# Altium PCB HIL_RIG_REV_1_2.PcbDoc (part 2 of 14)
Units mil, origin at the board's own origin, x right, y up, seen from the top; angles counter-clockwise.
Board outline 9845 x 7590 mil, 6 copper layers (Top Layer, Int1 (GND), Int2 (PWR), Int3 (Sign), Int4 (GND), Bottom Layer), stack 60.566 mil thick; 1465 components, 731 nets, 4058 pads, 3944 vias.
Unrouted connection lines stored in the file: 1754.
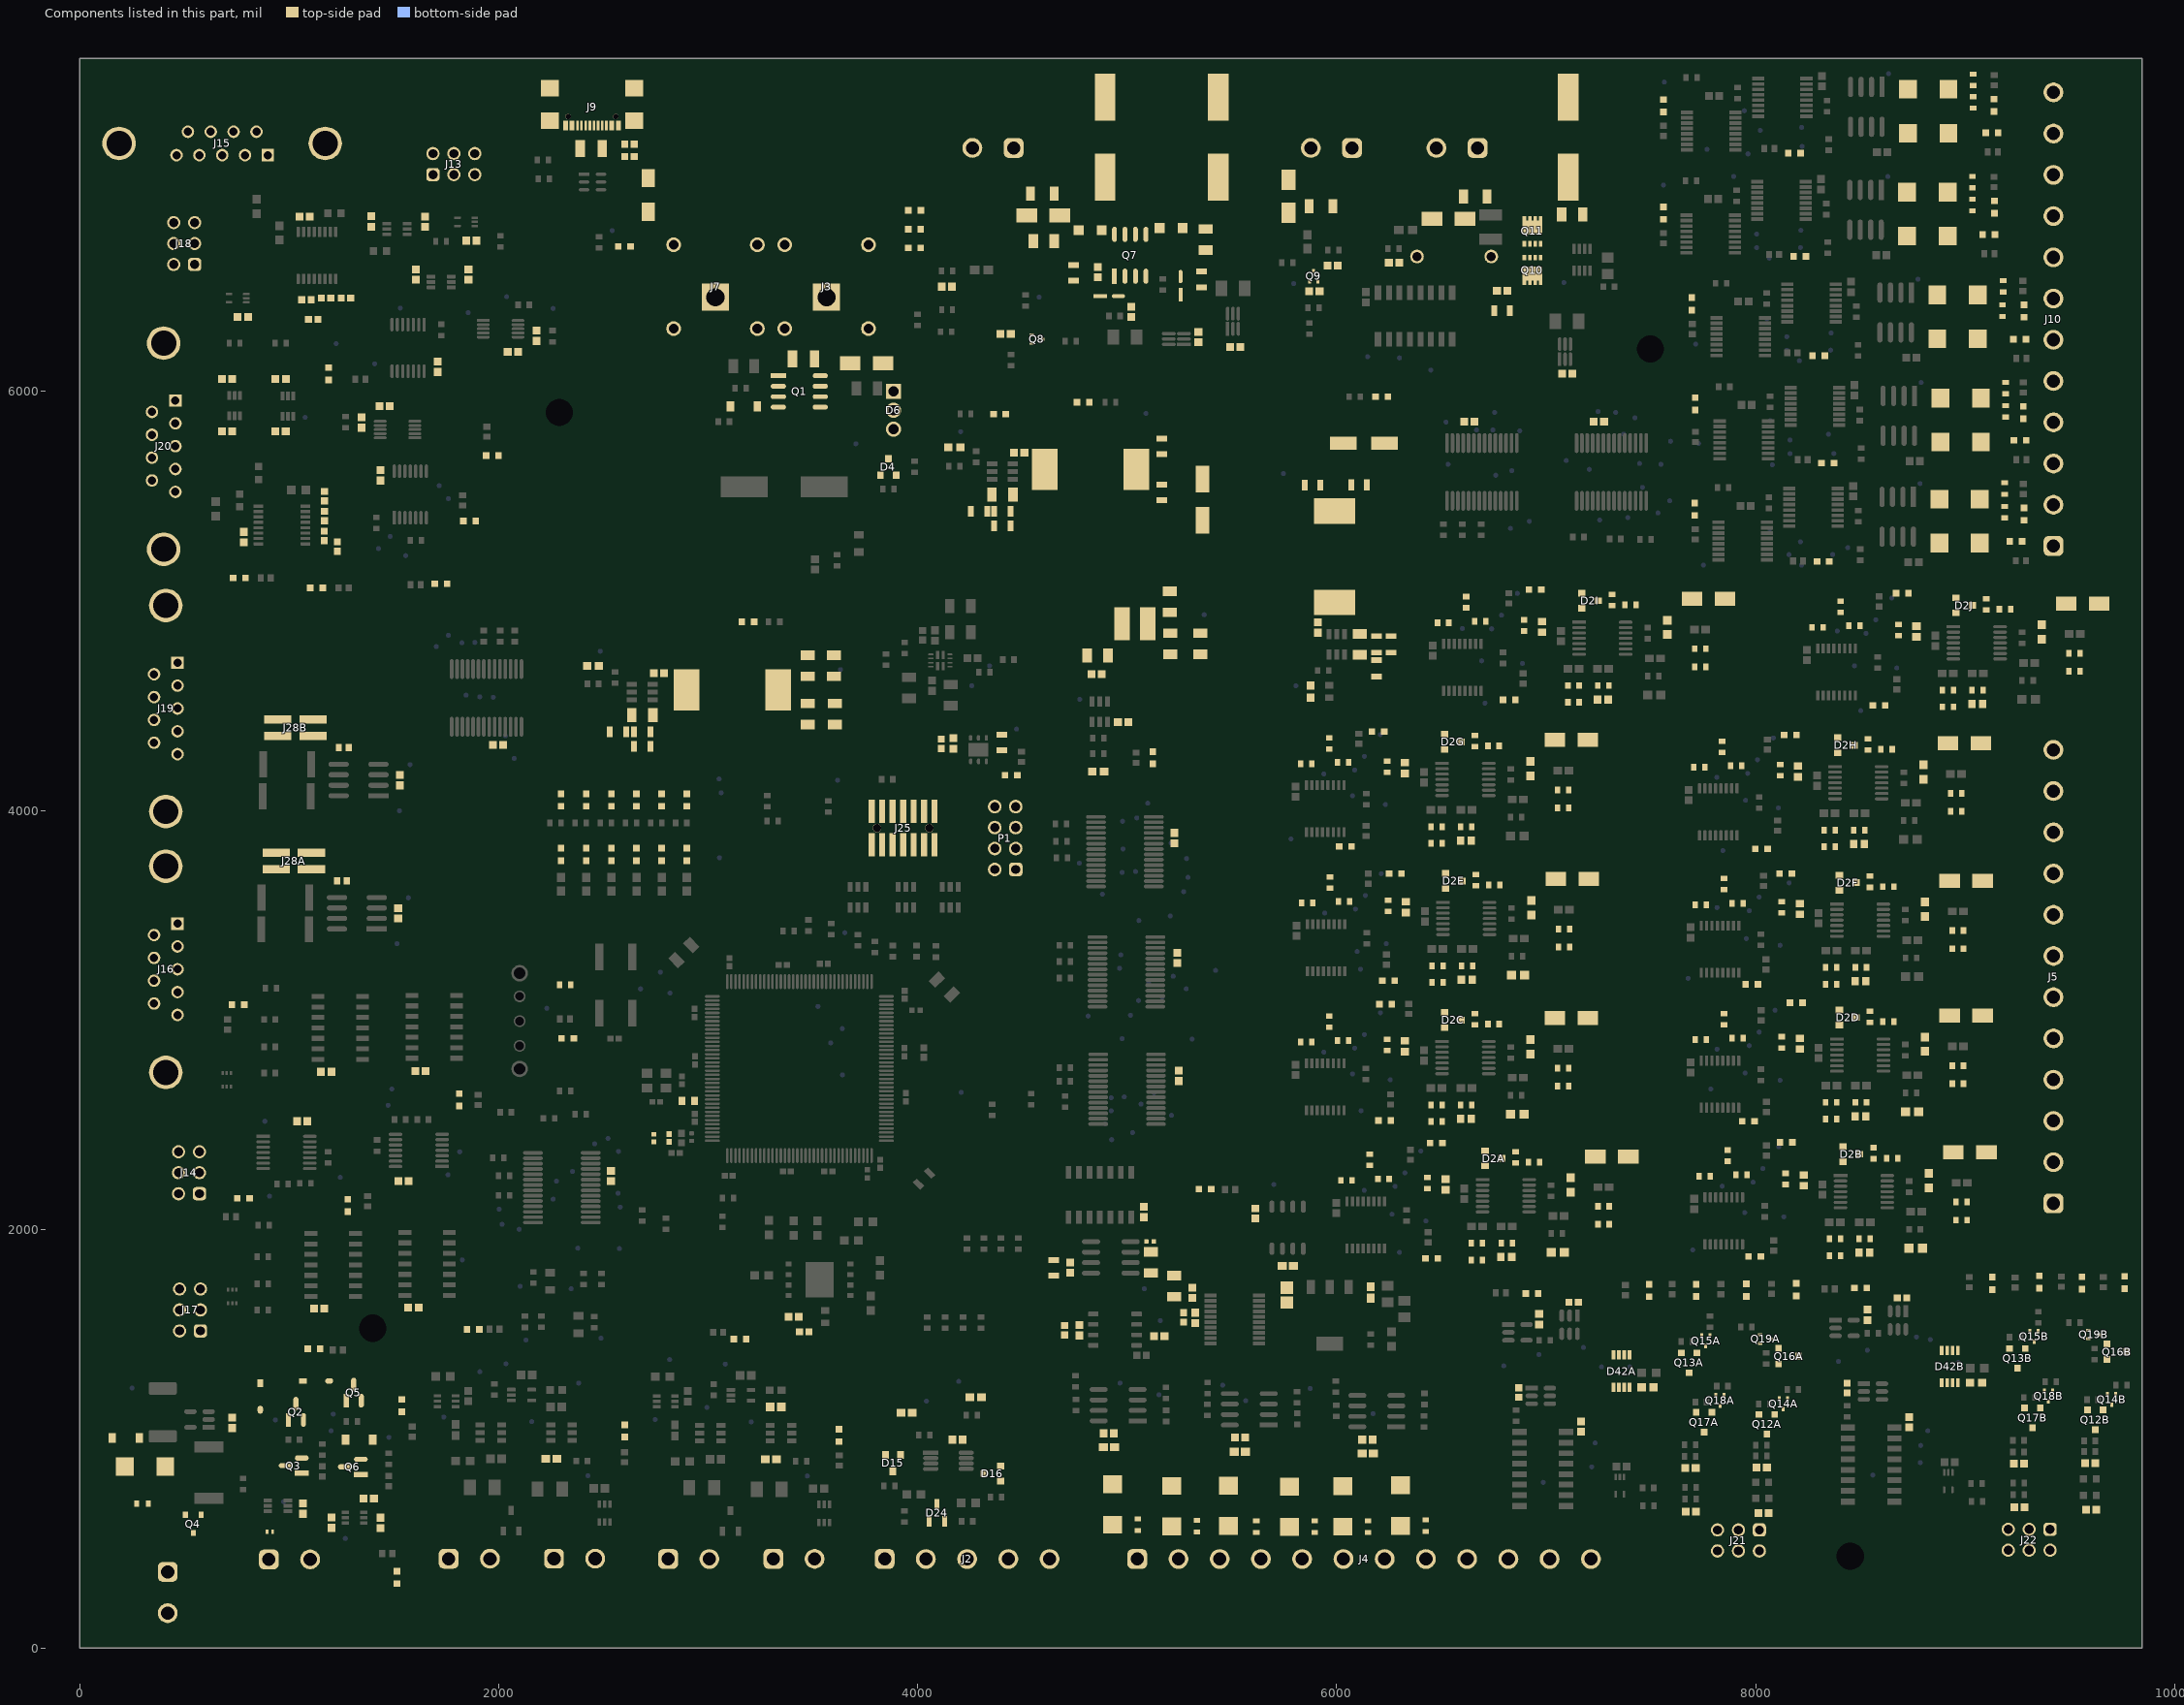
[diagram p6: the components of this part, seen from the top]

## Components (designator, comment, footprint, x,y, rotation, side; value= is the part's Value field where it differs from the comment) (continued)
C56B "Capacitor 100 nF +/-10% 50 V 0603" CAPC1608X90X40ML10T20 3321.73,1151.46 r0 top value=100nF (schematic designator C56)
C57A "CC0603KRX7R7BB102" FP-CC0603-DA-IPC_B#1 2252.35,904 r180 top value=1nF (schematic designator C57)
C57B "CC0603KRX7R7BB102" FP-CC0603-DA-IPC_B#1 3299.61,902.52 r180 top value=1nF (schematic designator C57)
C58 "Capacitor 100 nF +/-10% 50 V 0603" CAPC1608X90X40NL10T20#1 728,1076 r270 top value=100nF
C59 "Capacitor 100 nF +/-10% 50 V 0603" CAPC1608X90X40NL10T20#1 1066,666.61 r90 top value=100nF
C60 "Capacitor 100 nF +/-10% 50 V 0603" CAPC1608X90X40NL10T20#1 1436,598.61 r270 top value=100nF
C61 "Capacitor 100 nF +/-10% 50 V 0603" CAPC1608X90X40NL10T20#2 1380,714 r180 top value=100nF
C62 "Capacitor 100 nF +/-10% 50 V 0603" CAPC1608X90X40NL10T20#1 1202,599.39 r90 top value=100nF
C63 "Capacitor 100 nF +/-10% 50 V 0603" CAPC1608X90X40NL10T20#1 4190.61,996 r0 top value=100nF
C64 "CC0603KRX7R9BB103" FP-CC0603-DA-IPC_B#2 3947,1123.68 r180 top value=10nF
C65 "CC0603KRX7R9BB103" FP-CC0603-DA-IPC_B#2 4277,1198.68 r0 top value=10nF
C66 "GRM21BZ71H475KE15L" FP-GRM21B-0_2-e0_2_0_7-MFG 4650,1816 r90 top value=4.7µF
C67 "Capacitor 10nF +/-20% 50V 0402" CAPC0402(1005)60_L 5109.72,1942 r0 top value=10nF
C68 "GRM31CR71E106KA12L" FP-GRM31C-0_2-e0_3_0_8-IPC_C 5114,1842 r90 top value=10µF
C69 "CC0603KRX7R9BB105" FP-CC0603-DB-IPC_B 4912.62,960 r0 top value=1µF
C70 "Capacitor 100 nF +/-10% 50 V 0603" CAPC1608X90X40NL10T20#1 4728,1817.39 r270 top value=100nF
C71 "Capacitor 100 nF +/-10% 50 V 0603" CAPC1608X90X40NL10T20#1 4912,1026 r180 top value=100nF
C72 "CC0603KRX7R9BB105" FP-CC0603-DB-IPC_B 5767.38,1826 r180 top value=1µF
C73 "CC0805KKX5R9BB225" FP-CC0805-0_85-IPC_A 5762,1686 r90 top value=2.2µF
C74 "GRM188R6YA106MA73D" FP-GRM188-0_2-IPC_C 5612,2076 r270 top value=10µF
C75 "CC0603KRX7R9BB105" FP-CC0603-DB-IPC_B 6162,1699 r270 top value=1µF
C76 "CC0603KRX7R9BB105" FP-CC0603-DB-IPC_B 5538.62,938 r0 top value=1µF
C77 "Capacitor 100 nF +/-10% 50 V 0603" CAPC1608X90X40NL10T20#1 5538.61,1006 r180 top value=100nF
C78 "Capacitor 1 uF +/- 10% 25 V 0603" CAPC1608X90X40LL10T20 4702,1518 r270 top value=1µF
C79 "Capacitor 1 uF +/- 10% 25 V 0603" CAPC1608X90X40LL10T20 5270,1579.36 r270 top value=1µF
C80 "Capacitor 100 nF +/-10% 50 V 0603" CAPC1608X90X40NL10T20#1 4772,1518.04 r90 top value=100nF
C81 "Capacitor 100 nF +/-10% 50 V 0603" CAPC1608X90X40NL10T20#1 5153.39,1490 r180 top value=100nF
C82 "CC0603KRX7R9BB105" FP-CC0603-DB-IPC_B 6148.62,930 r0 top value=1µF
C83 "Capacitor 100 nF +/-10% 50 V 0603" CAPC1608X90X40NL10T20#1 6146.61,996 r180 top value=100nF
C84 "GRM31CR71E106KA12L" FP-GRM31C-0_2-e0_3_0_8-IPC_C 5224,1728.23 r90 top value=10µF
C85 "Capacitor 100 nF +/-10% 50 V 0603" CAPC1608X90X40NL10T20#1 5312,1697.39 r270 top value=100nF
C86 "Capacitor 100 nF +/-10% 50 V 0603" CAPC1608X90X40NL10T20#1 5326,1577.39 r90 top value=100nF
C87 "Capacitor 100 nF +/-10% 50 V 0603" CAPC1608X90X40NL10T20#1 3408.13,1582.61 r0 top value=100nF
C88 "Capacitor 100 nF +/-10% 50 V 0603" CAPC1608X90X40NL10T20#1 5080,2082.61 r270 top value=100nF
C90A "Capacitor 100 nF +/-10% 50 V 0603" CAPC1608X90X40NL10T20#1 1520.15,3508 r270 top value=100nF (schematic designator C90)
C90B "Capacitor 100 nF +/-10% 50 V 0603" CAPC1608X90X40NL10T20#1 1528.15,4144 r270 top value=100nF (schematic designator C90)
C91A "C0603C472K3GACTU" FP-C0603C-CF-MFG 1252.15,3664 r0 top value=4.7nF (schematic designator C91)
C91B "C0603C472K3GACTU" FP-C0603C-CF-MFG 1260.15,4300 r0 top value=4.7nF (schematic designator C91)
C92A "Capacitor 100 nF +/-10% 50 V 0603" CAPC1608X90X40NL10T20#1 1545.39,2230 r0 top value=100nF (schematic designator C92)
C92B "Capacitor 100 nF +/-10% 50 V 0603" CAPC1608X90X40NL10T20#1 1062,2516 r180 top value=100nF (schematic designator C92)
C93A "Capacitor 100 nF +/-10% 50 V 0603" CAPC1608X90X40NL10T20#1 1176.61,2752 r0 top value=100nF (schematic designator C93)
C93B "Capacitor 100 nF +/-10% 50 V 0603" CAPC1608X90X40NL10T20#1 1143.52,1621.49 r0 top value=100nF (schematic designator C93)
C94A "Capacitor 100 nF +/-10% 50 V 0603" CAPC1608X90X40NL10T20#1 1626.61,2756 r0 top value=100nF (schematic designator C94)
C94B "Capacitor 100 nF +/-10% 50 V 0603" CAPC1608X90X40NL10T20#1 1593.1,1626 r0 top value=100nF (schematic designator C94)
C95A "Capacitor 100 nF +/-10% 50 V 0603" CAPC1608X90X40NL10T20#1 2067.53,6188.91 r0 top value=100nF (schematic designator C95)
C95B "Capacitor 100 nF +/-10% 50 V 0603" CAPC1608X90X40NL10T20#1 1456,5929 r180 top value=100nF (schematic designator C95)
C96A "Capacitor 100 nF +/-10% 50 V 0603" CAPC1608X90X40NL10T20#1 2180.5,6265.61 r270 top value=100nF (schematic designator C96)
C96B "Capacitor 100 nF +/-10% 50 V 0603" CAPC1608X90X40NL10T20#1 1346,5851.39 r90 top value=100nF (schematic designator C96)
C97A "Capacitor 100 nF +/-10% 50 V 0603" CAPC1608X90X40NL10T20#1 1708.86,6117.63 r270 top value=100nF (schematic designator C97)
C97B "Capacitor 100 nF +/-10% 50 V 0603" CAPC1608X90X40NL10T20#1 1435.64,5599.37 r90 top value=100nF (schematic designator C97)
C98A "Capacitor 100 nF +/-10% 50 V 0603" CAPC1608X90X40NL10T20#1 1605.53,6558.06 r270 top value=100nF (schematic designator C98)
C98B "Capacitor 100 nF +/-10% 50 V 0603" CAPC1608X90X40NL10T20#1 958.61,5810 r0 top value=100nF (schematic designator C98)
C99A "Capacitor 100 nF +/-10% 50 V 0603" CAPC1608X90X40NL10T20#1 1855.53,6557.66 r90 top value=100nF (schematic designator C99)
C99B "Capacitor 100 nF +/-10% 50 V 0603" CAPC1608X90X40NL10T20#1 959,6060 r180 top value=100nF (schematic designator C99)
C100A "Capacitor 100 nF +/-10% 50 V 0603" CAPC1608X90X40NL10T20#1 1869.11,6720 r180 top value=100nF (schematic designator C100)
C100B "Capacitor 100 nF +/-10% 50 V 0603" CAPC1608X90X40NL10T20#1 778.6,6355 r180 top value=100nF (schematic designator C100)
C101A "Capacitor 100 nF +/-10% 50 V 0603" CAPC1608X90X40NL10T20#1 1392.5,6811.39 r90 top value=100nF (schematic designator C101)
C101B "Capacitor 100 nF +/-10% 50 V 0603" CAPC1608X90X40NL10T20#1 703.6,5810 r180 top value=100nF (schematic designator C101)
C102A "Capacitor 100 nF +/-10% 50 V 0603" CAPC1608X90X40NL10T20#1 1648,6810 r90 top value=100nF (schematic designator C102)
C102B "Capacitor 100 nF +/-10% 50 V 0603" CAPC1608X90X40NL10T20#1 704,6060 r180 top value=100nF (schematic designator C102)
C103A "Capacitor 100 nF +/-10% 50 V 0603" CAPC1608X90X40LL10T20 1175.5,6446 r0 top value=100nF (schematic designator C103)
C103B "Capacitor 100 nF +/-10% 50 V 0603" CAPC1608X90X40LL10T20 1169,5405 r90 top value=100nF (schematic designator C103)
C104A "Capacitor 100 nF +/-10% 50 V 0603" CAPC1608X90X40LL10T20 1082,6438 r0 top value=100nF (schematic designator C104)
C104B "Capacitor 100 nF +/-10% 50 V 0603" CAPC1608X90X40LL10T20 1167.47,5310.37 r90 top value=100nF (schematic designator C104)
C105A "Capacitor 100 nF +/-10% 50 V 0603" CAPC1608X90X40LL10T20 1114.5,6344 r0 top value=100nF (schematic designator C105)
C105B "Capacitor 100 nF +/-10% 50 V 0603" CAPC1608X90X40LL10T20 1230,5259.36 r270 top value=100nF (schematic designator C105)
C106A "Capacitor 100 nF +/-10% 50 V 0603" CAPC1608X90X40LL10T20 1270.5,6446 r0 top value=100nF (schematic designator C106)
C106B "Capacitor 100 nF +/-10% 50 V 0603" CAPC1608X90X40LL10T20 1169,5500 r90 top value=100nF (schematic designator C106)
C107A "Capacitor 100 nF +/-10% 50 V 0603" CAPC1608X90X40NL10T20#1 1073.89,6835 r180 top value=100nF (schematic designator C107)
C107B "Capacitor 100 nF +/-10% 50 V 0603" CAPC1608X90X40NL10T20#1 784,5305 r270 top value=100nF (schematic designator C107)
C108 "Capacitor 1 uF +/- 10% 25 V 0603" CAPC1608X90X40LL10T20 2624,7180 r0 top value=1µF
C109 "Capacitor 1 uF +/- 10% 25 V 0603" CAPC1608X90X40LL10T20 2624,7122 r0 top value=1µF
C110 "Capacitor 100 nF +/-10% 50 V 0603" CAPC1608X90X40NL10T20#1 4485,5708 r180 top value=100nF
C111 "EEHZA1H330XP" FP-EEH-D8-MFG 5360,5483 r90 top value=33µF
C112 "GRM21BZ71H475KE15L" FP-GRM21B-0_2-e0_2_0_7-MFG 5165,5518 r270 top value=4.7µF
C113 "GRM21BZ71H475KE15L" FP-GRM21B-0_2-e0_2_0_7-MFG 5165,5738 r90 top value=4.7µF
C114 "GRJ21BC72A105KE11L" FP-GRJ21B-0_35-MFG#1 4405,5358 r0 top value=1µF
C115 "GRJ21BC72A105KE11L" FP-GRJ21B-0_35-MFG#2 4292.4,5428 r180 top value=1µF
C116 "GRJ21BC72A105KE11L" FP-GRJ21B-0_35-MFG#2 4405,5428 r0 top value=1µF
C117 "GRM31C5C2A104JA01L" FP-GRM31C-0_2-e0_3_0_8-IPC_C 4405,5508 r0 top value=100nF
C118 "C0603C101F5GACTU" FP-C0603C-CF-IPC_B 4175,5733 r180 top value=100pF
C119 "EMVY101ARA101MKE0S" FP-MVYAKE0-MFG 4894.53,7215 r270 top value=100µF
C120 "GRM31C5C2A104JA01L" FP-GRM31C-0_2-e0_3_0_8-IPC_C 4602,6718 r180 top value=100nF
C121 "Capacitor 100 nF +/-10% 50 V 0603" CAPC1608X90X40NL10T20#1 4860,6570 r270 top value=100nF
C122 "GRM21BZ71H475KE15L" FP-GRM21B-0_2-e0_2_0_7-MFG 4745,6566.47 r90 top value=4.7µF
C123 "Capacitor 100 nF +/-10% 50 V 0603" CAPC1608X90X40NL10T20#1 4420,6275 r0 top value=100nF
C124 "Capacitor 100 nF +/-10% 50 V 0603" CAPC1608X90X40NL10T20#1 5340,6260 r90 top value=100nF
C125 "Capacitor 100 nF +/-10% 50 V 0603" CAPC1608X90X40NL10T20#1 4139.61,6500 r0 top value=100nF
C126 "Capacitor 100 nF +/-10% 50 V 0603" CAPC1608X90X40NL10T20#1 5910.47,4872.6 r270 top value=100nF
C127 "EEHZA1H330XP" FP-EEH-D8-MFG 6130.47,5752.6 r180 top value=33µF
C128 "GRM21BZ71H475KE15L" FP-GRM21B-0_2-e0_2_0_7-MFG 6106.47,5554 r0 top value=4.7µF
C129 "GRM21BZ71H475KE15L" FP-GRM21B-0_2-e0_2_0_7-MFG 5885.47,5552.6 r180 top value=4.7µF
C130 "GRJ21BC72A105KE11L" FP-GRJ21B-0_35-MFG#1 6260.47,4792.6 r90 top value=1µF
C131 "GRJ21BC72A105KE11L" FP-GRJ21B-0_35-MFG#1 6190.47,4677.6 r270 top value=1µF
C132 "GRJ21BC72A105KE11L" FP-GRJ21B-0_35-MFG#1 6190.47,4792.6 r90 top value=1µF
C133 "GRM31C5C2A104JA01L" FP-GRM31C-0_2-e0_3_0_8-IPC_C 6110.47,4792.6 r90 top value=100nF
C134 "C0603C101F5HACTU" FP-C0603C-CF-IPC_B 5875.47,4567.6 r270 top value=100pF
C135 "EMVY101ARA101MKE0S" FP-MVYAKE0-MFG 5434.53,7215 r270 top value=100µF
C136 "GRM31C5C2A104JA01L" FP-GRM31C-0_2-e0_3_0_8-IPC_C 5375,6725 r270 top value=100nF
C137 "Capacitor 100 nF +/-10% 50 V 0603" CAPC1608X90X40NL10T20#1 5020,6380 r90 top value=100nF
C138 "GRM21BZ71H475KE15L" FP-GRM21B-0_2-e0_2_0_7-MFG 5355,6535 r90 top value=4.7µF
C139 "Capacitor 100 nF +/-10% 50 V 0603" CAPC1608X90X40NL10T20#1 5894,6478 r180 top value=100nF
C140 "Capacitor 100 nF +/-10% 50 V 0603" CAPC1608X90X40NL10T20#1 5516.61,6212 r0 top value=100nF
C141 "Capacitor 100 nF +/-10% 50 V 0603" CAPC1608X90X40NL10T20#1 5980.39,6600 r180 top value=100nF
C142 "Capacitor 100 nF +/-10% 50 V 0603" CAPC1608X90X40NL10T20#1 2765.39,4655 r180 top value=100nF
C143 "GRM31CR71E106KA12L" FP-GRM31C-0_2-e0_3_0_8-IPC_C 3475.39,4460 r270 top value=10µF
C144 "GRM31CR71E106KA12L" FP-GRM31C-0_2-e0_3_0_8-IPC_C 3475.39,4690 r90 top value=10µF
C145 "GRM31CR71E106KA12L" FP-GRM31C-0_2-e0_3_0_8-IPC_C 3605.39,4460 r270 top value=10µF
C146 "GRM31CR71E106KA12L" FP-GRM31C-0_2-e0_3_0_8-IPC_C 3600.39,4690 r90 top value=10µF
C147 "GRJ21BC72A105KE11L" FP-GRJ21B-0_35-MFG#1 2685.39,4305 r0 top value=1µF
C148 "GRJ21BC72A105KE11L" FP-GRJ21B-0_35-MFG#1 2570.39,4375 r180 top value=1µF
C149 "GRJ21BC72A105KE11L" FP-GRJ21B-0_35-MFG#1 2685.39,4375 r0 top value=1µF
C150 "GRM31C5C2A104JA01L" FP-GRM31C-0_2-e0_3_0_8-IPC_C 2685.39,4455 r0 top value=100nF
C151 "C0603C101F5HACTU" FP-C0603C-CF-IPC_B 2450.39,4690 r180 top value=100pF
C152 "GRM21BZ71H475KE15L" FP-GRM21B-0_2-e0_2_0_7-MFG 6790,6385 r180 top value=4.7µF
C153 "Capacitor 100 nF +/-10% 50 V 0603" CAPC1608X90X40NL10T20#1 6790,6480 r0 top value=100nF
C154 "EMVY101ARA101MKE0S" FP-MVYAKE0-MFG 7105,7215 r270 top value=100µF
C155 "GRM31C5C2A104JA01L" FP-GRM31C-0_2-e0_3_0_8-IPC_C 7125,6845 r0 top value=100nF
C156 "Capacitor 100 nF +/-10% 50 V 0603" CAPC1608X90X40NL10T20#1 7100.47,6085 r0 top value=100nF
C157 "Capacitor 100 nF +/-10% 50 V 0603" CAPC1608X90X40NL10T20#1 6274,6614 r0 top value=100nF
C158 "Capacitor 1 uF +/- 10% 25 V 0603" CAPC1608X90X40LL10T20 4112.47,4317.59 r270 top value=1µF
C159 "Capacitor 100 nF +/-10% 50 V 0603" CAPC1608X90X40NL10T20#1 4170.47,4319.39 r90 top value=100nF
C160 "GRM21BZ71H475KE15L" FP-GRM21B-0_2-e0_2_0_7-MFG 4402,4324 r90 top value=4.7µF
C161 "GRM31CR71E106KA12L" FP-GRM31C-0_2-e0_3_0_8-IPC_C 4858.69,4740.4 r0 top value=10µF
C162 "Capacitor 100 nF +/-10% 50 V 0603" CAPC1608X90X40NL10T20#1 4853.69,4650.4 r0 top value=100nF
C163 "C0603C101F5HACTU" FP-C0603C-CF-IPC_B 4861.48,4185.4 r0 top value=100pF
C164 "GRM31CR71E106KA12L" FP-GRM31C-0_2-e0_3_0_8-IPC_C 5348.69,4795.4 r270 top value=10µF
C165 "GRM31CR71E106KA12L" FP-GRM31C-0_2-e0_3_0_8-IPC_C 5206.48,4795.6 r270 top value=10µF
C166 "GRM31CR71E106KA12L" FP-GRM31C-0_2-e0_3_0_8-IPC_C 5203.69,4995.4 r90 top value=10µF
C167 "Capacitor 100 nF +/-10% 50 V 0603" CAPC1608X90X40NL10T20#1 4980.61,4422 r180 top value=100nF
C168A "Capacitor 1 uF +/- 10% 25 V 0603" CAPC1608X90X40LL10T20 6869.35,1221.24 r90 top value=1µF (schematic designator C168)
C168B "Capacitor 1 uF +/- 10% 25 V 0603" CAPC1608X90X40LL10T20 8436.95,1242.24 r90 top value=1µF (schematic designator C168)
C169A "Capacitor 100 nF +/-10% 50 V 0603" CAPC1608X90X40NL10T20#1 6966.65,1570.68 r270 top value=100nF (schematic designator C169)
C169B "Capacitor 100 nF +/-10% 50 V 0603" CAPC1608X90X40NL10T20#1 8534.26,1591.68 r270 top value=100nF (schematic designator C169)
C170A "Capacitor 1 uF +/- 10% 25 V 0603" CAPC1608X90X40LL10T20 7131.36,1652 r0 top value=1µF (schematic designator C170)
C170B "Capacitor 1 uF +/- 10% 25 V 0603" CAPC1608X90X40LL10T20 8698.97,1673 r0 top value=1µF (schematic designator C170)
C171A "C0603C101F5GACTU" FP-C0603C-CF-IPC_B 7484.58,1246 r0 top value=100pF (schematic designator C171)
C171B "C0603C101F5GACTU" FP-C0603C-CF-IPC_B 9052.18,1267 r0 top value=100pF (schematic designator C171)
C172A "Capacitor 100 nF +/-10% 50 V 0603" CAPC1608X90X40NL10T20#1 7166,1058.61 r270 top value=100nF (schematic designator C172)
C172B "Capacitor 100 nF +/-10% 50 V 0603" CAPC1608X90X40NL10T20#1 8733.6,1079.61 r270 top value=100nF (schematic designator C172)
C173A "Capacitor 100 nF +/-10% 50 V 0603" CAPC1608X90X40NL10T20#1 8029.39,862 r0 top value=100nF (schematic designator C173)
C173B "Capacitor 100 nF +/-10% 50 V 0603" CAPC1608X90X40NL10T20#1 9597,883 r0 top value=100nF (schematic designator C173)
C174A "Capacitor 100 nF +/-10% 50 V 0603" CAPC1608X90X40NL10T20#1 7689.39,860 r0 top value=100nF (schematic designator C174)
C174B "Capacitor 100 nF +/-10% 50 V 0603" CAPC1608X90X40NL10T20#1 9257,881 r0 top value=100nF (schematic designator C174)
C175A "Capacitor 100 nF +/-10% 50 V 0603" CAPC1608X90X40NL10T20#1 7691.39,652 r0 top value=100nF (schematic designator C175)
C175B "Capacitor 100 nF +/-10% 50 V 0603" CAPC1608X90X40NL10T20#1 9259,673 r0 top value=100nF (schematic designator C175)
C176A "Capacitor 100 nF +/-10% 50 V 0603" CAPC1608X90X40NL10T20#1 8037.39,646 r0 top value=100nF (schematic designator C176)
C176B "Capacitor 100 nF +/-10% 50 V 0603" CAPC1608X90X40NL10T20#1 9602,662 r0 top value=100nF (schematic designator C176)
C177A "Capacitor 100 nF +/-10% 50 V 0603" CAPC1608X90X40NL10T20#1 5246,2732.61 r90 top value=100nF (schematic designator C177)
C177B "Capacitor 100 nF +/-10% 50 V 0603" CAPC1608X90X40NL10T20#1 5240,3296 r90 top value=100nF (schematic designator C177)
C177C "Capacitor 100 nF +/-10% 50 V 0603" CAPC1608X90X40NL10T20#1 5226,3868 r90 top value=100nF (schematic designator C177)
C177D "Capacitor 100 nF +/-10% 50 V 0603" CAPC1608X90X40NL10T20#1 7252,5856 r180 top value=100nF (schematic designator C177)
C177E "Capacitor 100 nF +/-10% 50 V 0603" CAPC1608X90X40NL10T20#1 6634,5856 r180 top value=100nF (schematic designator C177)
C177F "Capacitor 100 nF +/-10% 50 V 0603" CAPC1608X90X40NL10T20#1 2536,2254 r90 top value=100nF (schematic designator C177)
C177G "Capacitor 100 nF +/-10% 50 V 0603" CAPC1608X90X40NL10T20#1 1997.39,4312 r0 top value=100nF (schematic designator C177)
C178 "Capacitor 1 uF +/- 10% 25 V 0603" CAPC1608X90X40LL10T20 3458.16,1510.61 r180 top value=1µF
D1A "SMAJ58A-13-F" FP-SMA-MFG 7313.89,2347.79 r0 top (schematic designator D1)
D1B "SMAJ58A-13-F" FP-SMA-MFG 9022.89,2367.79 r0 top (schematic designator D1)
D1C "SMAJ58A-13-F" FP-SMA-MFG 7120.89,3007.79 r0 top (schematic designator D1)
D1D "SMAJ58A-13-F" FP-SMA-MFG 9004.89,3019.79 r0 top (schematic designator D1)
D1E "SMAJ58A-13-F" FP-SMA-MFG 7124.89,3671.79 r0 top (schematic designator D1)
D1F "SMAJ58A-13-F" FP-SMA-MFG 9004.89,3663.79 r0 top (schematic designator D1)
D1G "SMAJ58A-13-F" FP-SMA-MFG 7120.89,4335.79 r0 top (schematic designator D1)
D1H "SMAJ58A-13-F" FP-SMA-MFG 8996.89,4319.79 r0 top (schematic designator D1)
D1I "SMAJ58A-13-F" FP-SMA-MFG 7774.89,5009.79 r0 top (schematic designator D1)
D1J "SMAJ58A-13-F" FP-SMA-MFG 9561.89,4987.79 r0 top (schematic designator D1)
D2A "BAV199-7-F" DIOD-SOT23-3_A_V 6748.37,2338.77 r0 top (schematic designator D2)
D2B "BAV199-7-F" DIOD-SOT23-3_A_V 8457.37,2358.77 r0 top (schematic designator D2)
D2C "BAV199-7-F" DIOD-SOT23-3_A_V 6555.37,2998.77 r0 top (schematic designator D2)
D2D "BAV199-7-F" DIOD-SOT23-3_A_V 8439.37,3010.77 r0 top (schematic designator D2)
D2E "BAV199-7-F" DIOD-SOT23-3_A_V 6559.37,3662.77 r0 top (schematic designator D2)
D2F "BAV199-7-F" DIOD-SOT23-3_A_V 8439.37,3654.77 r0 top (schematic designator D2)
D2G "BAV199-7-F" DIOD-SOT23-3_A_V 6555.37,4326.77 r0 top (schematic designator D2)
D2H "BAV199-7-F" DIOD-SOT23-3_A_V 8431.37,4310.77 r0 top (schematic designator D2)
D2I "BAV199-7-F" DIOD-SOT23-3_A_V 7209.37,5000.77 r0 top (schematic designator D2)
D2J "BAV199-7-F" DIOD-SOT23-3_A_V 8996.37,4978.77 r0 top (schematic designator D2)
D3 "MMSZ5244BT1G" ONSC-SOD-123-2-425-04_V 3170.28,5929.13 r180 top
D4 "BZX84C47LT1G" ONSC-SOT-23-3-318-08_V 3860,5640 r90 top
D5 "SMAJ58A-13-F" FP-SMA-MFG 3756,6134 r0 top
D6 "C106MG" TO229P280X780X1410-3P 3885,6000.16 r270 top
D7A "SMBJ28A" FP-SMBJ-MFG 8973.98,5485.81 r180 top (schematic designator D7)
D7B "SMBJ28A" FP-SMBJ-MFG 8979.17,5968 r180 top (schematic designator D7)
D7C "SMBJ28A" FP-SMBJ-MFG 8964,6461.36 r180 top (schematic designator D7)
D7D "SMBJ28A" FP-SMBJ-MFG 8820,6951.36 r180 top (schematic designator D7)
D7E "SMBJ28A" FP-SMBJ-MFG 8823.89,7442.81 r180 top (schematic designator D7)
D8A "SMBJ28A" FP-SMBJ-MFG 8973.98,5275.81 r180 top (schematic designator D8)
D8B "SMBJ28A" FP-SMBJ-MFG 8979.17,5758 r180 top (schematic designator D8)
D8C "SMBJ28A" FP-SMBJ-MFG 8964,6251.36 r180 top (schematic designator D8)
D8D "SMBJ28A" FP-SMBJ-MFG 8820,6741.36 r180 top (schematic designator D8)
D8E "SMBJ28A" FP-SMBJ-MFG 8823.89,7232.81 r180 top (schematic designator D8)
D9 "1N5819HW-7-F" FP-SOD123-IPC_C 862,1202 r270 top value=50pF
D10 "SMBJ28A" FP-SMBJ-MFG 312,868 r180 top
D11 "SZMMSZ5255BT1G" ONSC-SOD-123-2-425-04_V 220,1004 r180 top
D12 "1N5819HW-7-F" FP-SOD123-IPC_C 1128,1276 r0 top value=50pF
D13 "MMSZ5244BT1G" ONSC-SOD-123-2-425-04_V 1334,996 r180 top
D14 "ESD501DPYR" ESD501DPYR 908,556 r180 top
D15 "BAV199-7-F" DIOD-SOT23-3_A_V 3882,883.68 r270 top
D16 "BAV199-7-F" DIOD-SOT23-3_A_V 4357,833.68 r180 top
D17 "SMBJ28A" FP-SMBJ-MFG 4931,686.19 r270 top
D18 "SMBJ28A" FP-SMBJ-MFG 5213,678.19 r270 top
D19 "SMBJ28A" FP-SMBJ-MFG 5484,680 r270 top
D20 "SMBJ28A" FP-SMBJ-MFG 5775,675.1 r270 top
D21 "SMBJ28A" FP-SMBJ-MFG 6030,677.19 r270 top
D22 "SMBJ28A" FP-SMBJ-MFG 6305,681.19 r270 top
D23 "SMAJ5.0A" DIOM5026X229N 2714,6938 r270 top
D24 "ESD852DBZR" SOT95P237X112-3N 4092,647.43 r90 top
D25 "LTST-C193KGKT-5A" FP-LTST-C193KGKT-5A-MFG 2600.47,6692.56 r180 top
D26 "LTST-C193KSKT-5A" FP-LTST-C193KGKT-5A-MFG 4790,5948 r0 top
D27 "PMEG6020ER,115" FP-SOD123W-MFG 4824,6770 r0 top
D28 "BZT52C15S-7-F" FP-SOD323-IPC_A 4915,6455 r0 top
D29 "SMAJ58A-13-F" FP-SMA-MFG 4600,6840 r180 top
D30 "LTST-C193KSKT-5A" FP-LTST-C193KGKT-5A-MFG 3985,6685 r180 top
D31 "LTST-C193KSKT-5A" FP-LTST-C193KGKT-5A-MFG 6215.47,5975 r180 top
D32 "PMEG6020ER,115" FP-SOD123W-MFG 5210,6780 r180 top
D33 "BZT52C15S-7-F" FP-SOD323-IPC_A 5255,6505 r90 top
D34 "SMAJ58A-13-F" FP-SMA-MFG 5770,6932 r90 top
D35 "LTST-C193KSKT-5A" FP-LTST-C193KGKT-5A-MFG 3985,6775 r180 top
D36 "LTST-C193KSKT-5A" FP-LTST-C193KGKT-5A-MFG 3190.39,4900 r0 top
D37 "SMAJ58A-13-F" FP-SMA-MFG 6534,6824 r180 top
D38 "1N4751A" FAIR-DO-41-2_V 6560.83,6644 r0 top
D39 "LTST-C193KSKT-5A" FP-LTST-C193KGKT-5A-MFG 3985.47,6865 r180 top
D40 "LTST-C193KSKT-5A" FP-LTST-C193KGKT-5A-MFG 4446.47,4168 r0 top
D41 "LTST-C193KSKT-5A" FP-LTST-C193KGKT-5A-MFG 5122.9,4251.19 r270 top